# Altium PCB linecard-NFC.PcbDoc
Units mm, origin at the board's own origin, x right, y up, seen from the top; angles counter-clockwise.
Board outline 86.36 x 54.61 mm, 2 copper layers (Top Layer, Bottom Layer); 3 components, 0 nets, 184 pads, 2 vias.
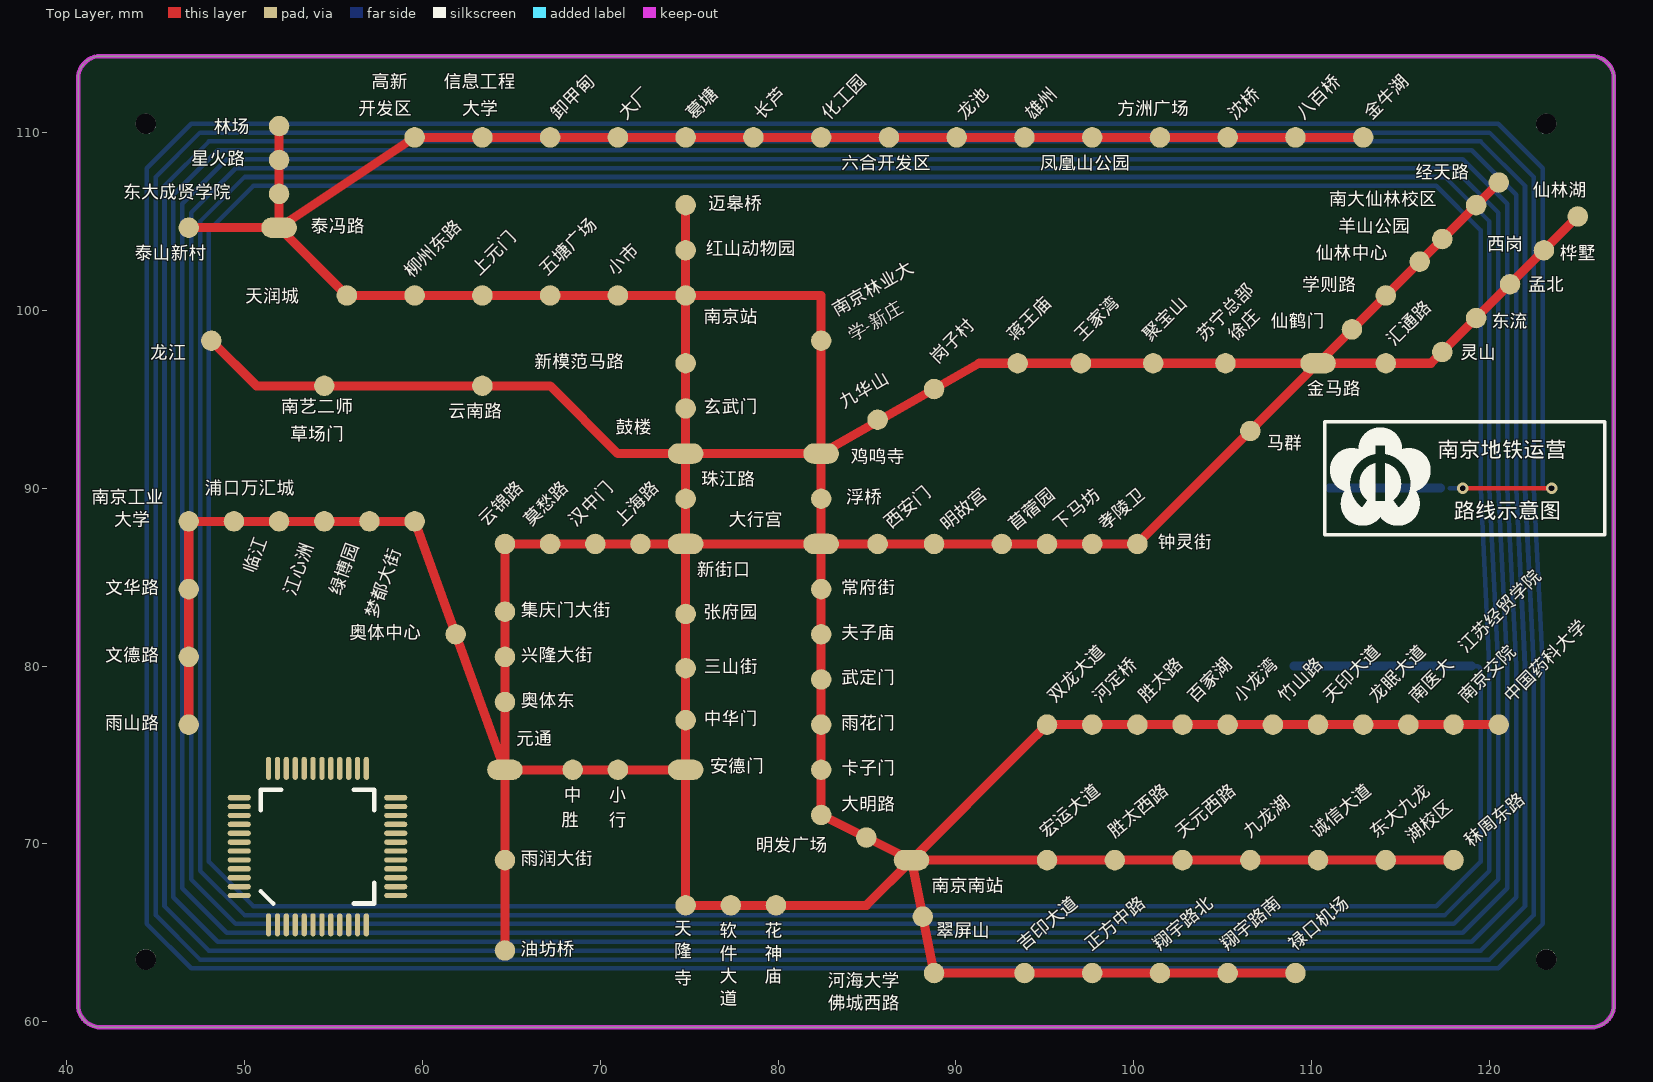
[diagram p0: Top Layer view]
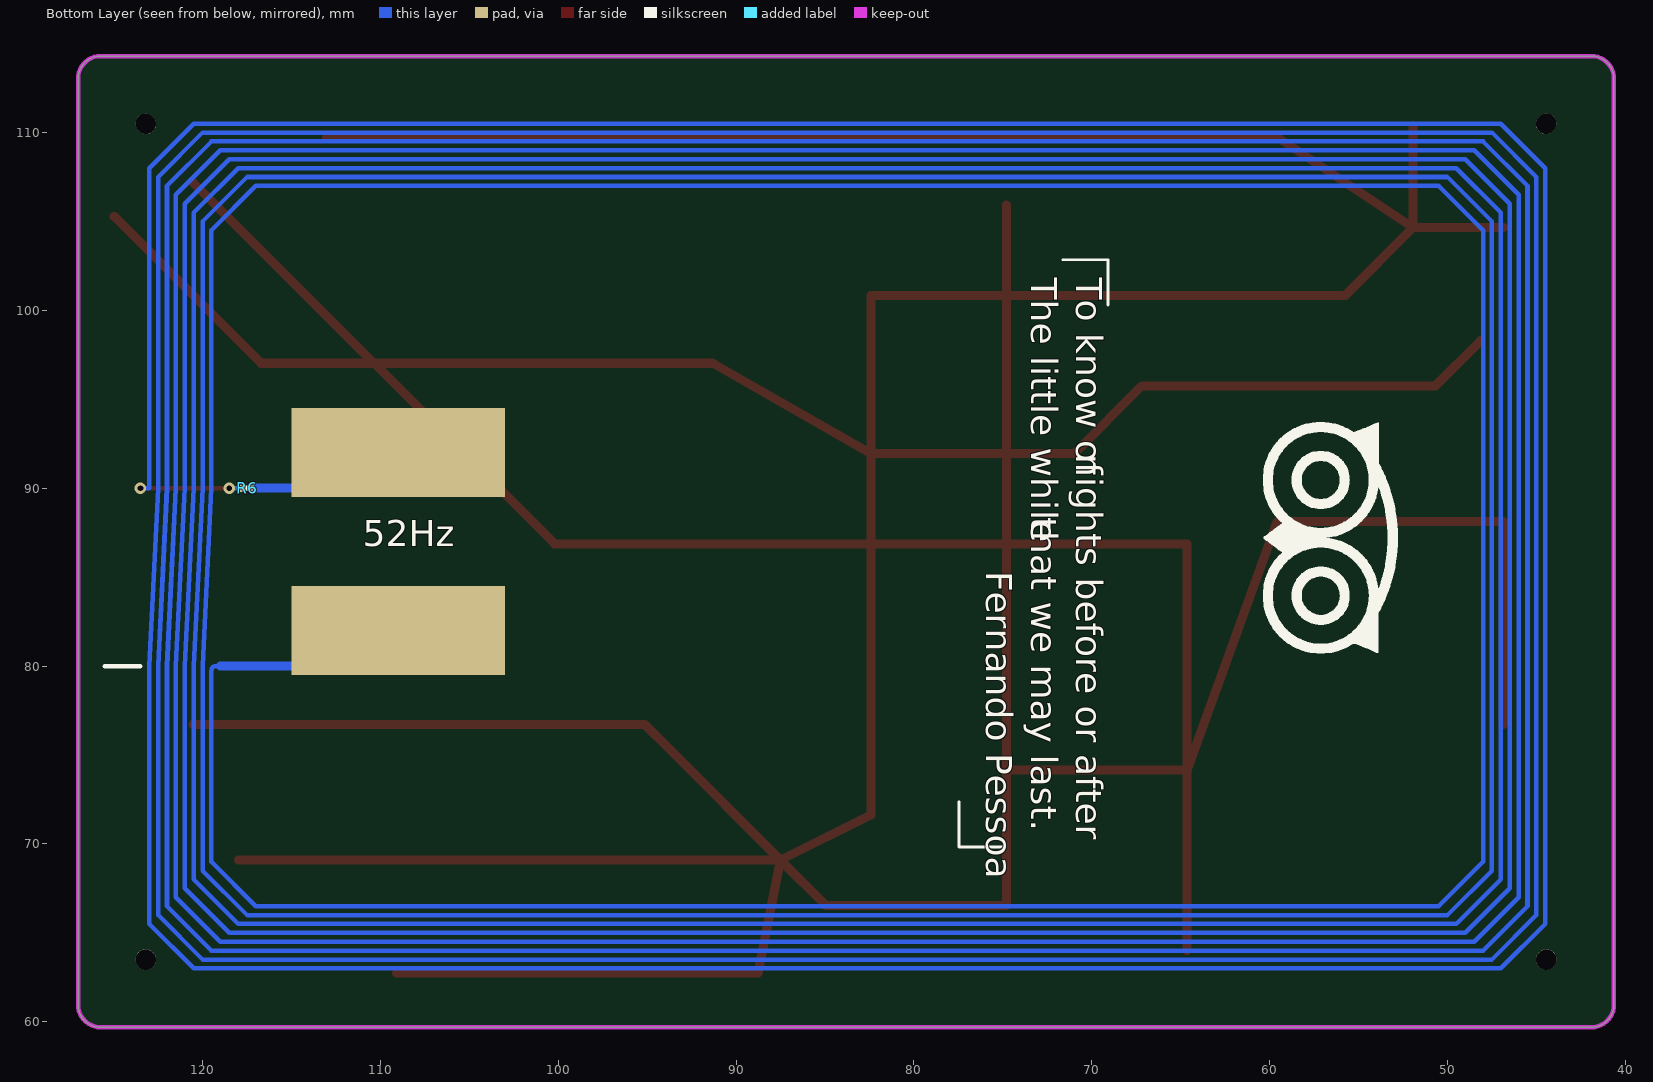
[diagram p1: Bottom Layer view, seen from below]

## Layer stack, top to bottom
Top Solder: solder mask 0.0102, Solder Resist, Dk 3.5
Top Layer: signal copper 0.0356
Dielectric 1: dielectric 0.32, FR-4, Dk 4.8
Bottom Layer: signal copper 0.0356
Bottom Solder: solder mask 0.0102, Solder Resist, Dk 3.5

## Board outline
40.64,60.96 40.64,113.03 cw(c41.91,113.03) 41.91,114.3 125.73,114.3 cw(c125.73,113.03) 127,113.03 127,60.96 cw(c125.73,60.96) 125.73,59.69 41.91,59.69 cw(c41.91,60.96)

## Design rules (kind name [scope] priority, off if disabled: settings)
Clearance [All] p1: gap=0.254
PolygonConnect [All] p1: connectstyle=Relief reliefconductorwidth=0.254 reliefentries=4 polygonreliefangle="90 Angle" airgapwidth=0.254
RoutingVias [All] p1: holewidth=0.711 width=1.27 viastyle="Through Hole" minholewidth=0.711 minwidth=1.27 maxholewidth=0.711 maxwidth=1.27
SolderMaskExpansion [All] p1: expansion=0.102
Width [All] p1: maxlimit=5.08 minlimit=0.152 preferedwidth=0.254
30 further rules are at their usual default settings.

## Components (designator, comment, footprint, x,y, rotation, side; value= is the part's Value field where it differs from the comment)
R6 "NC" R0201 117.5,90 r0 bottom
? "Comment" LQFP_48_7X7 54.102,69.85 r0 top locked
? "Comment" "NFC IC" 109,82 r90 bottom

## Footprints (in the part's own frame and the unit in brackets; to place one, negate y for a bottom-side part, rotate by r counter-clockwise, add the part's x,y. Pads: shape width x height; smd on the part's side, far side on the other; paste and mask are expansions set on the pad)
LQFP_48_7X7 [mm]
  oval 0.3x1.3 smd: 1(-2.75,-4.4) 2(-2.25,-4.4) 3(-1.75,-4.4) 4(-1.25,-4.4) 5(-0.75,-4.4) 6(-0.25,-4.4) 7(0.25,-4.4) 8(0.75,-4.4) 9(1.25,-4.4) 10(1.75,-4.4) 11(2.25,-4.4) 12(2.75,-4.4) 25(2.75,4.4) 26(2.25,4.4) 27(1.75,4.4) 28(1.25,4.4) 29(0.75,4.4) 30(0.25,4.4) 31(-0.25,4.4) 32(-0.75,4.4) 33(-1.25,4.4) 34(-1.75,4.4) 35(-2.25,4.4) 36(-2.75,4.4)
  oval 1.3x0.3 smd: 13(4.4,-2.75) 14(4.4,-2.25) 15(4.4,-1.75) 16(4.4,-1.25) 17(4.4,-0.75) 18(4.4,-0.25) 19(4.4,0.25) 20(4.4,0.75) 21(4.4,1.25) 22(4.4,1.75) 23(4.4,2.25) 24(4.4,2.75) 37(-4.4,2.75) 38(-4.4,2.25) 39(-4.4,1.75) 40(-4.4,1.25) 41(-4.4,0.75) 42(-4.4,0.25) 43(-4.4,-0.25) 44(-4.4,-0.75) 45(-4.4,-1.25) 46(-4.4,-1.75) 47(-4.4,-2.25) 48(-4.4,-2.75)
  silkscreen extent -3.2,-3.2 3.2,3.2, body extent -4.57,-4.57 4.57,4.57, height 1.62
"NFC IC" [mm]
  rect 5x12 smd: 1(0,0) 2(10,0)
R0201 [mm]
  rect 0.28x0.43 smd: 1(-0.255,0) 2(0.255,0)
  silkscreen extent -0.3,-0.15 0.3,0.15

## Free pads (board coordinates)
  round 1.152 hole 1.152 unplated paste+1.152 mask+0.148: 0(44.45,63.5) 0(44.45,110.49) 0(123.19,63.5) 0(123.19,110.49)
  round 1.152 smd mask+0.148: 2(46.863,76.708) 2(46.863,80.518) 2(46.863,84.328) 2(46.863,88.138) 2(46.863,104.648) 2(48.133,98.298) 2(49.403,88.138) 2(51.943,88.138) 2(51.943,106.553) 2(51.943,108.458) 2(51.943,110.363) 2(54.483,88.138) 2(54.483,95.758) 2(55.753,100.838) 2(57.023,88.138) 2(59.563,88.138) 2(59.563,100.838) 2(59.563,109.728) 2(61.872,81.788) 2(63.373,95.758) 2(63.373,100.838) 2(63.373,109.728) 2(64.643,64.008) 2(64.643,69.088) 2(64.643,77.978) 2(64.643,80.518) 2(64.643,83.058) 2(64.643,86.868) 2(67.183,86.868) 2(67.183,100.838) 2(67.183,109.728) 2(68.453,74.168) 2(69.723,86.868) 2(70.993,74.168) 2(70.993,100.838) 2(70.993,109.728) 2(72.263,86.868) 2(74.803,66.548) 2(74.803,76.962) 2(74.803,79.883) 2(74.803,82.931) 2(74.803,89.408) 2(74.803,94.488) 2(74.803,97.028) 2(74.803,100.838) 2(74.803,103.378) 2(74.803,105.918) 2(74.803,109.728) 2(77.343,66.548) 2(78.613,109.728) 2(79.883,66.548) 2(82.423,71.628) 2(82.423,74.168) 2(82.423,76.708) 2(82.423,79.248) 2(82.423,81.788) 2(82.423,84.328) 2(82.423,89.408) 2(82.423,98.298) 2(82.423,109.728) 2(84.963,70.358) 2(85.598,86.868) 2(85.598,93.853) 2(86.233,109.728) 2(88.138,65.913) 2(88.773,62.738) 2(88.773,86.868) 2(88.773,95.577) 2(90.043,109.728) 2(92.583,86.868) 2(93.472,97.028) 2(93.853,62.738) 2(93.853,109.728) 2(95.123,69.088) 2(95.123,76.708) 2(95.123,86.868) 2(97.028,97.028) 2(97.663,62.738) 2(97.663,76.708) 2(97.663,86.868) 2(97.663,109.728) 2(98.933,69.088) 2(100.203,76.708) 2(100.203,86.868) 2(101.092,97.028) 2(101.473,62.738) 2(101.473,109.728) 2(102.743,69.088) 2(102.743,76.708) 2(105.156,97.028) 2(105.283,62.738) 2(105.283,76.708) 2(105.283,109.728) 2(106.553,69.088) 2(106.553,93.218) 2(107.823,76.708) 2(109.093,62.738) 2(109.093,109.728) 2(110.363,69.088) 2(110.363,76.708) 2(112.268,98.933) 2(112.903,76.708) 2(112.903,109.728) 2(114.173,69.088) 2(114.173,97.028) 2(114.173,100.838) 2(115.443,76.708) 2(116.078,102.743) 2(117.348,97.663) 2(117.348,104.013) 2(117.983,69.088) 2(117.983,76.708) 2(119.253,99.568) 2(119.253,105.918) 2(120.523,76.708) 2(120.523,107.188) 2(121.158,101.473) 2(123.063,103.378) 2(124.968,105.283)
  oval 2x1.152 smd mask+0.148: 2(51.943,104.648) 2(64.643,74.168) 2(74.803,74.168) 2(74.803,86.868) 2(74.803,91.948) 2(82.423,86.868) 2(82.423,91.948) 2(87.503,69.088) 2(110.363,97.028)

## Via types
v1: diameter 0.635, hole 0.33, Top Layer to Bottom Layer, 2 vias

## Nets (pads, with @x,y where several pads share a name; then routed paths per layer and width w, separated by ;. In a path a pad name is that pad's centre, name@x,y a point inside that pad or via, vN(x,y) a via of type N, cw(c..) or ccw(c..) an arc to the next point about the centre after c; other vN are vias at no path point)
pads on no net: ?.1 ?.2 ?.3 ?.4 ?.5 ?.6 ?.7 ?.8 ?.9 ?.10 ?.11 ?.12 ?.13 ?.14 ?.15 ?.16 ?.17 ?.18 ?.19 ?.20 ?.21 ?.22 ?.23 ?.24 ?.25 ?.26 ?.27 ?.28 ?.29 ?.30 ?.31 ?.32 ?.33 ?.34 ?.35 ?.36 ?.37 ?.38 ?.39 ?.40 ?.41 ?.42 ?.43 ?.44 ?.45 ?.46 ?.47 ?.48 R6.1 R6.2
copper on no net: | length 2377.3
  Top Layer w0.254: v1(118.5,90) v1(123.5,90)
  Top Layer w0.508: 46.863,76.708 46.863,80.518 46.863,88.138 59.563,88.138 64.643,74.168 74.803,74.168 ; 46.863,104.648 51.943,104.648 ; 48.133,98.298 50.673,95.758 67.183,95.758 70.993,91.948 74.803,91.948 ; 51.943,110.363 51.943,108.458 51.943,104.648 ; 64.643,64.008 64.643,86.868 74.803,86.868 ; 74.803,105.918 74.803,91.948 ; 109.093,62.738 88.773,62.738 87.503,69.088 ; 113.03,109.728 63.373,109.728 59.563,109.728 51.943,104.648 ; 117.983,69.088 87.503,69.088 ; 120.523,76.708 95.123,76.708 93.853,75.438 87.503,69.088 ; 120.523,107.188 100.203,86.868 88.773,86.868 82.423,86.868 ; 124.968,105.283 116.713,97.028 109.093,97.028 91.313,97.028 82.423,91.948 ; 51.943,104.648 55.753,100.838 82.423,100.838 82.423,91.948 ; 74.803,86.868 82.423,86.868 ; 74.803,86.868 74.803,91.948 ; 74.803,86.868 74.803,66.548 84.963,66.548 87.503,69.088 ; 74.803,91.948 82.423,91.948 ; 82.423,86.868 82.423,91.948 ; 82.423,86.868 82.423,84.328 82.423,71.628 87.503,69.088
  Bottom Layer w0.254: 117.755,90 v1(118.5,90) ; 119.25,80 cw(c119.25,79.75) 119.5,79.75 119.5,69 117,66.5 50.5,66.5 48,69 48,104.5 50.5,107 117,107 119.5,104.5 119.5,90 120,80 120,68.5 117.5,66 50,66 47.5,68.5 47.5,105 50,107.5 117.5,107.5 120,105 120,90 120.5,80 120.5,68 118,65.5 49.5,65.5 47,68 47,105.5 49.5,108 118,108 120.5,105.5 120.5,90 121,80 121,67.5 118.5,65 49,65 46.5,67.5 46.5,106 49,108.5 118.5,108.5 121,106 121,90 121.5,80 121.5,67 119,64.5 48.5,64.5 46,67 46,106.5 48.5,109 119,109 121.5,106.5 121.5,90 122,80 122,66.5 119.5,64 48,64 45.5,66.5 45.5,107 48,109.5 119.5,109.5 122,107 122,90 122.5,80 122.5,66 120,63.5 47.5,63.5 45,66 45,107.5 47.5,110 120,110 122.5,107.5 122.5,90 123,80 123,65.5 120.5,63 47,63 44.5,65.5 44.5,104 44.5,108 47,110.5 120.5,110.5 123,108 123,90 v1(123.5,90)
  Bottom Layer w0.508: 109,80 119,80 ; 111,90 117.245,90

## Keep-outs
Keep-Out Layer:
  the board outline again, w0.254

## Silkscreen, mask and mechanical layers (free items; w line width, h text height)
Top Overlay:
  drawing of 2674 lines, arcs and shapes, not listed
  text "高新" at 57.15,112.268 h1.27
  text "信息工程" at 61.214,112.268 h1.27
  text "开发区" at 56.388,110.744 h1.27
  text "大学" at 62.23,110.744 h1.27
  text "方洲广场" at 99.06,110.744 h1.27
  text "卸甲甸" at 67.818,110.49 h1.27 r45
  text "大厂" at 71.628,110.49 h1.27 r45
  text "葛塘" at 75.438,110.49 h1.27 r45
  text "长芦" at 79.248,110.49 h1.27 r45
  text "化工园" at 83.058,110.49 h1.27 r45
  text "龙池" at 90.678,110.49 h1.27 r45
  text "雄州" at 94.488,110.49 h1.27 r45
  text "沈桥" at 105.918,110.49 h1.27 r45
  text "八百桥" at 109.728,110.49 h1.27 r45
  text "金牛湖" at 113.538,110.49 h1.27 r45
  text "林场" at 48.26,109.728 h1.27
  text "星火路" at 46.99,107.95 h1.27
  text "六合开发区" at 83.566,107.696 h1.27
  text "凤凰山公园" at 94.742,107.696 h1.27
  text "经天路" at 115.824,107.188 h1.27
  text "仙林湖" at 122.428,106.172 h1.27
  text "东大成贤学院" at 43.18,106.045 h1.27
  text "南大仙林校区" at 110.998,105.664 h1.27
  text "迈皋桥" at 76.073,105.41 h1.27
  text "泰冯路" at 53.721,104.14 h1.27
  text "羊山公园" at 111.506,104.14 h1.27
  text "西岗" at 119.888,103.124 h1.27
  text "红山动物园" at 75.946,102.87 h1.27
  text "泰山新村" at 43.815,102.616 h1.27
  text "仙林中心" at 110.236,102.616 h1.27
  text "桦墅" at 123.952,102.616 h1.27
  text "上元门" at 63.373,101.727 h1.27 r45
  text "五塘广场" at 67.183,101.727 h1.27 r45
  text "小市" at 70.993,101.727 h1.27 r45
  text "柳州东路" at 59.563,101.6 h1.27 r45
  text "学则路" at 109.474,100.838 h1.27
  text "孟北" at 122.174,100.838 h1.27
  text "天润城" at 50.038,100.203 h1.27
  text "南京林业大" at 83.439,99.441 h1.27 r30
  text "南京站" at 75.819,99.06 h1.27
  text "仙鹤门" at 107.696,98.806 h1.27
  text "东流" at 120.142,98.806 h1.27
  text "学-新庄" at 84.328,98.044 h1.27 r30
  text "蒋王庙" at 93.472,98.044 h1.27 r45
  text "王家湾" at 97.282,98.044 h1.27 r45
  text "聚宝山" at 101.092,98.044 h1.27 r45
  text "苏宁总部" at 104.14,98.044 h1.27 r45
  text "徐庄" at 105.918,98.044 h1.27 r45
  text "汇通路" at 114.808,97.79 h1.27 r45
  text "龙江" at 44.704,97.028 h1.27
  text "灵山" at 118.364,97.028 h1.27
  text "岗子村" at 89.154,96.774 h1.27 r45
  text "新模范马路" at 66.294,96.52 h1.27
  text "金马路" at 109.728,94.996 h1.27
  text "九华山" at 83.82,94.234 h1.27 r30.47
  text "南艺二师" at 52.07,93.98 h1.27
  text "玄武门" at 75.819,93.98 h1.27
  text "云南路" at 61.468,93.726 h1.27
  text "鼓楼" at 70.866,92.837 h1.27
  text "草场门" at 52.578,92.456 h1.27
  text "马群" at 107.442,91.948 h1.27
  text "南京地铁运营" at 117.094,91.44 h1.52
  text "鸡鸣寺" at 84.074,91.186 h1.27
  text "珠江路" at 75.692,89.916 h1.27
  text "浦口万汇城" at 47.752,89.408 h1.27
  text "南京工业" at 41.402,88.9 h1.27
  text "浮桥" at 83.82,88.9 h1.27
  text "路线示意图" at 118,88 h1.52
  text "大学" at 42.672,87.63 h1.27
  text "云锦路" at 63.754,87.63 h1.27 r45
  text "莫愁路" at 66.294,87.63 h1.27 r45
  text "汉中门" at 68.834,87.63 h1.27 r45
  text "上海路" at 71.374,87.63 h1.27 r45
  text "大行宫" at 77.216,87.63 h1.27
  text "西安门" at 86.5,87.5 h1.27 r40
  text "明故宫" at 89.662,87.376 h1.27 r40
  text "苜蓿园" at 93.472,87.376 h1.27 r40
  text "下马坊" at 96.012,87.376 h1.27 r40
  text "孝陵卫" at 98.552,87.376 h1.27 r40
  text "钟灵街" at 101.346,86.36 h1.27
  text "临江" at 50.8,85.09 h1.27 r70
  text "新街口" at 75.438,84.836 h1.27
  text "文华路" at 42.164,83.82 h1.27
  text "江心洲" at 53.086,83.82 h1.27 r70
  text "绿博园" at 55.626,83.82 h1.27 r70
  text "常府街" at 83.566,83.82 h1.27
  text "梦都大街" at 57.658,82.55 h1.27 r70
  text "集庆门大街" at 65.532,82.55 h1.27
  text "张府园" at 75.819,82.423 h1.27
  text "奥体中心" at 55.88,81.28 h1.27
  text "夫子庙" at 83.566,81.28 h1.27
  text "江苏经贸学院" at 118.872,80.518 h1.27 r45
  text "文德路" at 42.164,80.01 h1.27
  text "兴隆大街" at 65.532,80.01 h1.27
  text "三山街" at 75.819,79.375 h1.27
  text "武定门" at 83.566,78.74 h1.27
  text "双龙大道" at 95.758,77.724 h1.27 r45
  text "河定桥" at 98.298,77.724 h1.27 r45
  text "胜太路" at 100.838,77.724 h1.27 r45
  text "百家湖" at 103.632,77.724 h1.27 r45
  text "小龙湾" at 106.172,77.724 h1.27 r45
  text "竹山路" at 108.712,77.724 h1.27 r45
  text "天印大道" at 111.252,77.724 h1.27 r45
  text "龙眠大道" at 113.792,77.724 h1.27 r45
  text "南医大" at 116.078,77.724 h1.27 r45
  text "南京交院" at 118.872,77.724 h1.27 r45
  text "中国药科大学" at 121.412,77.724 h1.27 r45
  text "奥体东" at 65.532,77.47 h1.27
  text "中华门" at 75.819,76.454 h1.27
  text "雨山路" at 42.164,76.2 h1.27
  text "雨花门" at 83.566,76.2 h1.27
  text "元通" at 65.278,75.311 h1.27
  text "安德门" at 76.2,73.787 h1.27
  text "卡子门" at 83.566,73.66 h1.27
  text "中" at 67.945,72.136 h1.27
  text "小" at 70.485,72.136 h1.27
  text "大明路" at 83.566,71.628 h1.27
  text "胜" at 67.818,70.739 h1.27
  text "行" at 70.485,70.739 h1.27
  text "宏运大道" at 95.25,70.104 h1.27 r40
  text "胜太西路" at 99.06,70.104 h1.27 r40
  text "天元西路" at 102.87,70.104 h1.27 r40
  text "九龙湖" at 106.68,70.104 h1.27 r40
  text "诚信大道" at 110.49,70.104 h1.27 r40
  text "东大九龙" at 113.792,70.104 h1.27 r40
  text "湖校区" at 115.824,69.85 h1.27 r40
  text "秣周东路" at 119.126,69.596 h1.27 r40
  text "明发广场" at 78.74,69.342 h1.27
  text "雨润大街" at 65.532,68.58 h1.27
  text "南京南站" at 88.646,67.056 h1.27
  text "天" at 74.168,64.643 h1.27
  text "软" at 76.708,64.516 h1.27
  text "花" at 79.248,64.516 h1.27
  text "翠屏山" at 88.9,64.516 h1.27
  text "吉印大道" at 93.98,63.754 h1.27 r40
  text "正方中路" at 97.79,63.754 h1.27 r40
  text "翔宇路北" at 101.6,63.754 h1.27 r40
  text "翔宇路南" at 105.41,63.754 h1.27 r40
  text "禄口机场" at 109.22,63.754 h1.27 r40
  text "油坊桥" at 65.532,63.5 h1.27
  text "隆" at 74.168,63.373 h1.27
  text "件" at 76.708,63.246 h1.27
  text "神" at 79.248,63.246 h1.27
  text "大" at 76.708,61.976 h1.27
  text "庙" at 79.248,61.976 h1.27
  text "寺" at 74.168,61.849 h1.27
  text "河海大学" at 82.804,61.722 h1.27
  text "道" at 76.708,60.706 h1.27
  text "佛城西路" at 82.804,60.452 h1.27
Bottom Overlay:
  drawing of 1377 lines, arcs and shapes, not listed
  text "To know of" at 71.372,101.828 h2.54 r90
  text "The little while" at 73.912,101.828 h2.54 r90
  text "nights before or after" at 71.372,91.922 h2.54 r90
  text "that we may last." at 73.912,88.366 h2.54 r90
  text "52Hz" at 110.998,86.233 h2.54
  text "Fernando Pessoa" at 76.452,85.318 h2.54 r90
Top Solder:
  lines w0.508: 46.863,76.708 46.863,80.518 46.863,88.138 59.563,88.138 64.643,74.168 74.803,74.168 ; 46.863,104.648 51.943,104.648 ; 48.133,98.298 50.673,95.758 67.183,95.758 70.993,91.948 74.803,91.948 ; 51.943,110.363 51.943,108.458 51.943,104.648 ; 64.643,64.008 64.643,86.868 74.803,86.868 ; 74.803,105.918 74.803,91.948 ; 109.093,62.738 88.773,62.738 87.503,69.088 ; 112.776,109.728 63.373,109.728 59.563,109.728 51.943,104.648 ; 117.983,69.088 87.503,69.088 ; 120.523,76.708 95.123,76.708 93.853,75.438 87.503,69.088 ; 120.523,107.188 100.203,86.868 88.773,86.868 82.423,86.868 ; 124.968,105.283 116.713,97.028 109.093,97.028 91.313,97.028 82.423,91.948 ; 51.943,104.648 55.753,100.838 82.423,100.838 82.423,91.948 ; 74.803,86.868 82.423,86.868 ; 74.803,86.868 74.803,91.948 ; 74.803,86.868 74.803,66.548 84.963,66.548 87.503,69.088 ; 74.803,91.948 82.423,91.948 ; 82.423,86.868 82.423,91.948 ; 82.423,86.868 82.423,84.328 82.423,71.628 87.503,69.088